# Altium PCB TCM.PcbDoc (part 9 of 10)
Units mm, origin at the board's own origin, x right, y up, seen from the top; angles counter-clockwise.
Board outline 280.25 x 366.95 mm, 6 copper layers (Top, L2, L3, L4, L5, Bot), stack 1.536 mm thick; 503 components, 762 nets, 3201 pads, 1645 vias.
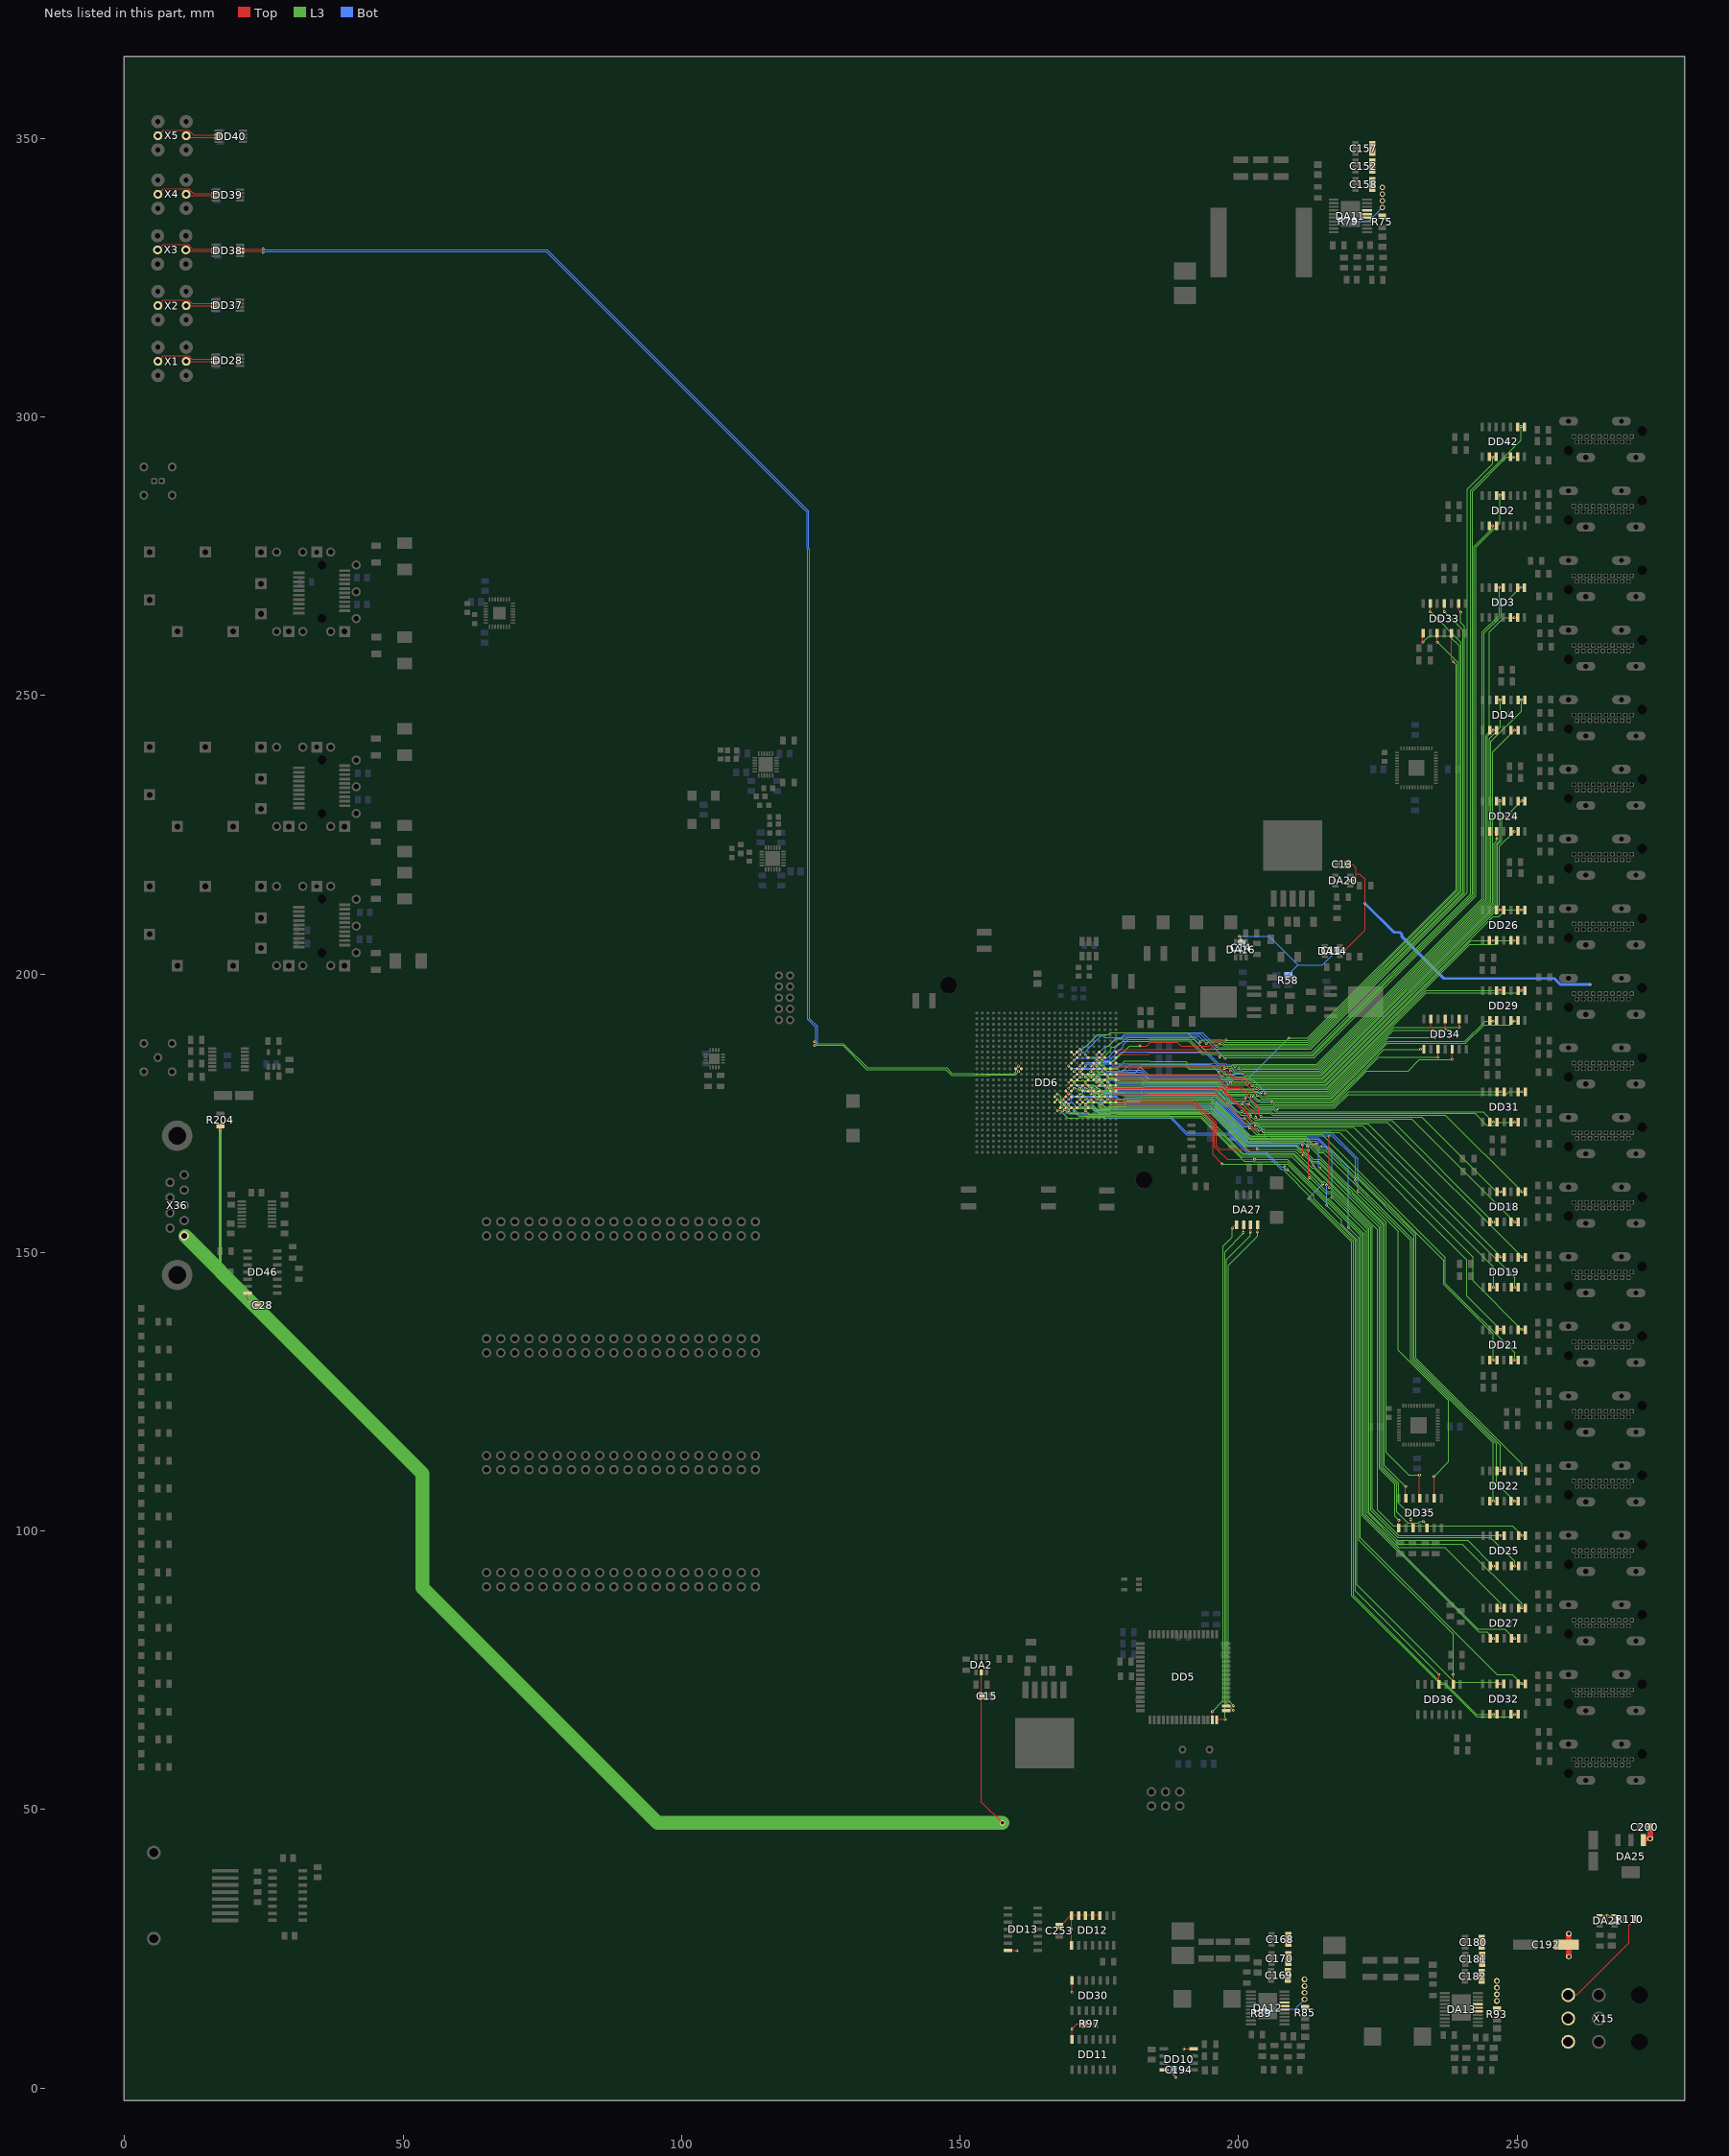
[diagram p13: the nets of this part, all layers, seen from the top]

## Via types
v1: diameter 0.48, hole 0.25, Top to Bot, tented both sides, 1515 vias
v2: diameter 1, hole 0.6, Top to Bot, tented both sides, 117 vias
v3: diameter 0.8, hole 0.4, Top to Bot, tented both sides, 8 vias
v4: diameter 5, hole 2.7, Top to Bot, tented both sides, 4 vias
v5: diameter 0.48/0/0/0/0/0.48 (per signal layer), hole 0.25, Top to Bot, tented both sides, 1 vias

## Nets (pads, with @x,y where several pads share a name; then routed paths per layer and width w, separated by ;. In a path a pad name is that pad's centre, name@x,y a point inside that pad or via, vN(x,y) a via of type N, cw(c..) or ccw(c..) an arc to the next point about the centre after c; other vN are vias at no path point) (continued)
TCM_SPI_CLKA_4: DD4.4 DD4.5 DD6.A10 | length 118.8
  Top w0.1: DD6.A10@178,184 180.5,184
  Top w0.15: 180.5,184 197.228,184 198.577,182.651 v1(198.577,182.605) ; DD4.5@246.362,249.262 v1(246.997,249.262) DD4.4@247.632,249.262
  L3 w0.15: v1(198.577,182.605) 198.81,182.605 199.18,182.235 200.293,182.235 200.664,182.606 214.56,182.606 245.01,213.055 245.01,242.312 246.997,244.299 v1(246.997,249.262)
TCM_SPI_CLKA_5: DD6.E11 DD24.1 DD24.2 | length 109.3
  Top w0.1: v1(173.5,182.5) DD6.E11@174,183
  Top w0.15: DD24.2@250.164,231.102 v1(250.83,231.102) DD24.1@251.434,231.102
  L3 w0.1: v1(173.5,182.5) 174.549,182.5 175.145,181.905 179.746,181.905 179.792,181.858 180.5,181.858
  L3 w0.15: 180.5,181.858 196.541,181.858 197.416,180.984 198.769,180.984 199.059,180.694 201.398,180.694 201.809,181.106 215.182,181.106 246.51,212.434 246.51,223.2 247.293,223.983 247.293,227.564 v1(250.83,231.102)
TCM_SPI_CLKA_6: DD6.H12 DD24.12 DD24.13 | length 106.9
  Top w0.1: v1(170.5,181.5) DD6.H12@171,182
  Top w0.15: DD24.12@248.894,225.602 v1(249.493,225.602) DD24.13@250.164,225.602
  L3 w0.15: v1(198.577,180.519) 198.702,180.394 201.522,180.394 201.934,180.806 215.306,180.806 246.875,212.374 246.875,222.984 v1(249.493,225.602)
  Bot w0.1: v1(170.5,181.5) 171.095,182.095 177.971,182.095 177.987,182.08 180.5,182.08
  Bot w0.15: 180.5,182.08 182.298,182.08 183.678,180.7 198.395,180.7 v1(198.577,180.519)
TCM_SPI_CLKA_7: DD6.C12 DD26.9 DD26.10 | length 83.1
  Top w0.1: DD6.C12@176,182 v1(176.5,181.5)
  Top w0.15: DD26.9@245.076,206.028 v1(245.708,206.028) DD26.10@246.346,206.028
  L3 w0.1: v1(176.5,181.5) 180.5,181.5
  L3 w0.15: 180.5,181.5 182.501,181.5 182.601,181.4 182.851,181.15 196.365,181.15 198.075,179.44 202.635,179.44 203.1,179.905 215.678,179.905 241.801,206.028 v1(245.708,206.028)
TCM_SPI_CLKA_8: DD6.H13 DD29.4 DD29.5 | length 86.7
  Top w0.1: DD6.H13@171,181 v1(171.5,181.5)
  Top w0.15: DD29.5@246.355,197.128 246.407,197.076 v1(246.981,197.076) DD29.4@247.627,197.076
  L3 w0.1: v1(171.5,181.5) 171.941,181.5 172.536,182.095 174.464,182.095 174.895,181.664 174.895,181.546 175.336,181.105 176.663,181.105 176.853,181.295 177.85,181.295 178.051,181.094 ; 178.051,181.1 180.5,181.1
  L3 w0.15: 180.5,181.1 182.477,181.1 182.758,180.819 196.272,180.819 198.018,179.073 202.798,179.073 202.896,178.975 203.505,178.975 203.818,179.288 215.91,179.288 233.698,197.076 v1(246.981,197.076)
TCM_SPI_CLKA_9: DD6.C13 DD31.1 DD31.2 | length 79.7
  Top w0.1: DD6.C13@176,181 v1(176.5,180.5)
  Top w0.15: DD31.2@250.205,178.9 v1(250.797,178.9) DD31.1@251.475,178.9
  L3 w0.15: v1(206.918,175.747) 207.129,175.957 217.246,175.957 219.683,178.395 248.061,178.395 248.565,178.9 v1(250.797,178.9)
  Bot w0.1: v1(176.5,180.5) 176.767,180.5 177.162,180.105 178.227,180.105 178.373,180.25 180.5,180.25
  Bot w0.15: 180.5,180.25 182.43,180.25 183.181,179.5 196.742,179.5 198.069,178.173 201.418,178.173 203.845,175.747 v1(206.918,175.747)
TCM_SPI_CLKC_0: DD6.G14 DD31.12 DD31.13 | length 82.4
  Top w0.1: DD6.G14@172,180 v1(172.5,179.5)
  Top w0.15: DD31.12@248.935,173.4 v1(249.57,173.4) DD31.13@250.205,173.4
  L3 w0.1: v1(172.5,179.5) 172.942,179.5 173.336,179.895 173.663,179.895 173.895,179.664 173.895,179.547 174.536,178.905 180.5,178.905
  L3 w0.15: 180.5,178.905 195.64,178.905 197.613,176.932 199.692,176.932 201.334,175.291 205.922,175.291 206.231,174.982 242.447,174.982 244.54,172.888 246.314,172.888 246.825,173.4 v1(249.57,173.4)
TCM_SPI_CLKC_1: DD6.B14 DD18.9 DD18.10 | length 80.5
  Top w0.1: DD6.B14@177,180 177.5,179.5 180.5,179.5
  Top w0.15: 180.5,179.5 183,179.5 183,179.503 197.164,179.503 197.513,179.154 197.515,179.154 200.597,176.072 200.857,176.072 201.305,175.624 201.305,175.364 v1(202.143,174.526) ; DD18.9@245.138,155.438 v1(245.768,155.438) 246.408,155.438 DD18.10@246.576,155.438
  L3 w0.15: v1(202.143,174.526) 202.899,173.77 203.493,173.77 203.591,173.673 227.533,173.673 v1(245.768,155.438)
TCM_SPI_CLKC_2: DD6.G15 DD19.4 DD19.5 | length 90.1
  Top w0.1: v1(171.5,179.5) DD6.G15@172,179
  Top w0.15: DD19.5@246.42,149.233 v1(247.071,149.233) DD19.4@247.69,149.233
  L3 w0.15: v1(201.055,174.106) 201.991,173.17 203.245,173.17 203.342,173.073 223.232,173.073 v1(247.071,149.233)
  Bot w0.1: v1(171.5,179.5) 172.106,178.895 173.337,178.895 ; 173.337,178.895 175.663,178.895 175.858,178.7 179.389,178.7 179.542,178.546 180.5,178.546
  Bot w0.15: 180.5,178.546 182.437,178.546 182.737,178.246 196.299,178.246 200.439,174.106 v1(201.055,174.106)
TCM_SPI_CLKC_3: DD6.B15 DD21.1 DD21.2 | length 95.5
  Top w0.1: DD6.B15@177,179 177.5,178.5 180.5,178.5
  Top w0.15: 180.5,178.5 183.533,178.5 183.547,178.486 196.017,178.486 201.64,172.863 202.15,172.863 203.06,171.953 v1(203.736,171.953) ; DD21.2@250.201,136.196 v1(250.836,136.196) DD21.1@251.471,136.196
  L3 w0.15: v1(203.736,171.953) 204.01,171.953 204.229,172.173 204.614,172.173 204.834,171.953 219.314,171.953 242.123,149.144 242.123,144.909 v1(250.836,136.196)
TCM_SPI_CLKC_4: DD6.J16 DD21.12 DD21.13 | length 105.2
  Top w0.1: v1(169.5,177.5) DD6.J16@170,178
  Top w0.15: DD21.12@248.931,130.696 v1(249.566,130.696) DD21.13@250.201,130.696
  L3 w0.15: v1(201.958,172.398) 202.05,172.398 203.206,171.243 214.979,171.243 237.151,149.071 237.151,144.408 249.566,131.992 v1(249.566,130.696)
  Bot w0.1: v1(169.5,177.5) 169.941,177.5 170.337,177.895 177.813,177.895 178.303,177.405 180.5,177.405
  Bot w0.15: 180.5,177.405 182.306,177.405 182.491,177.219 196.053,177.219 200.689,172.583 201.773,172.583 v1(201.958,172.398)
TCM_SPI_CLKC_5: DD6.D16 DD22.9 DD22.10 | length 121.3
  Top w0.1: DD6.D16@175,178 v1(175.5,177.5)
  Top w0.15: DD22.9@245.135,105.351 v1(245.766,105.351) DD22.10@246.405,105.351
  L3 w0.1: v1(175.5,177.5) 175.695,177.305 176.136,177.305 176.336,177.105 179.407,177.105 179.824,177.523 180.5,177.523
  L3 w0.15: 180.5,177.523 195.096,177.523 202.063,170.556 211.919,170.556 213.159,169.316 213.159,169.163 214.38,167.942 215.23,167.942 230.948,152.223 230.948,130.619 245.766,115.801 v1(245.766,105.351)
TCM_SPI_CLKC_6: DD6.L17 DD25.4 DD25.5 | length 142.4
  Top w0.1: DD6.L17@168,177 v1(168.5,176.5)
  Top w0.15: DD25.5@246.436,99.213 v1(247.071,99.213) DD25.4@247.706,99.213
  L3 w0.1: v1(168.5,176.5) 168.659,176.5 169.263,175.895 173.663,175.895 174.253,175.305 176.995,175.305 177.161,175.471 180.5,175.471
  L3 w0.15: 180.5,175.471 194.602,175.471 201.973,168.1 210.271,168.1 213.205,165.166 213.483,165.166 224.034,154.615 224.034,103.976 228.797,99.213 v1(247.071,99.213)
TCM_SPI_CLKC_7: DD6.F17 DD27.1 DD27.2 | length 151.1
  Top w0.1: v1(172.5,176.5) DD6.F17@173,177
  Top w0.15: v1(212.572,168.331) 212.572,163.588 v1(212.724,163.437) ; DD27.2@250.246,86.2 v1(250.862,86.2) DD27.1@251.516,86.2
  L3 w0.1: v1(172.5,176.5) 173.736,176.5 174.531,175.705 176.829,175.705 177.216,176.092 180.5,176.092
  L3 w0.15: 180.5,176.092 194.83,176.092 201.566,169.356 210.437,169.356 211.278,168.515 212.02,168.515 212.204,168.331 v1(212.572,168.331) ; v1(212.724,163.437) 212.859,163.437 215.642,160.654 216.649,160.654 223.134,154.169 223.134,103.252 228.69,97.695 240.167,97.695 250.862,87 v1(250.862,86.2)
TCM_SPI_CLKC_8: DD6.A17 DD27.12 DD27.13 | length 144.7
  Top w0.1: DD6.A17@178,177 180.5,177
  Top w0.15: 180.5,177 191.912,177 195.71,173.201 195.71,169.013 196.398,168.325 197.988,166.735 v1(202.88,166.735) ; DD27.12@248.976,80.7 v1(249.58,80.7) DD27.13@250.246,80.7
  L3 w0.15: v1(202.88,166.735) 208.768,166.735 215.828,159.675 216.174,159.675 222.503,153.346 222.503,102.901 228.659,96.745 228.705,96.745 243,82.45 247.83,82.45 v1(249.58,80.7)
TCM_SPI_CLKC_9: DD6.H18 DD32.9 DD32.10 | length 160
  Top w0.1: v1(170.5,175.5) DD6.H18@171,176
  Top w0.15: DD32.9@245.114,67.092 v1(245.749,67.092) DD32.10@246.384,67.092
  L3 w0.15: v1(208.313,165.386) 208.313,164.592 213.037,159.867 213.037,159.69 220.703,152.025 220.703,88.433 236.334,72.802 237.023,72.802 242.732,67.092 v1(245.749,67.092)
  Bot w0.1: v1(170.5,175.5) 170.665,175.5 171.197,174.968 172.361,174.968 172.733,174.596 180.5,174.596
  Bot w0.15: 180.5,174.596 187.692,174.596 190.813,171.475 195.775,171.475 195.8,171.5 198.335,171.5 201.819,168.016 204.988,168.016 207.618,165.386 v1(208.313,165.386)
TCM_SPI_MISOA_0: DD6.J8 DD33.2 | length 137.6
  Top w0.1: DD6.J8@170,186 v1(170.5,185.5)
  Top w0.15: DD33.2@239.487,266.605 239.487,265.379 v1(239.902,264.964)
  L3 w0.15: v1(196.052,187.02) 196.257,186.815 212.83,186.815 240.559,214.544 240.559,262.461 239.893,263.127 239.893,264.955 v1(239.902,264.964)
  Bot w0.1: v1(170.5,185.5) 171.105,186.105 171.664,186.105 171.895,186.336 171.895,186.454 172.546,187.105 172.664,187.105 174.664,189.105 176.664,189.105 177.059,189.5 180.5,189.5
  Bot w0.15: 180.5,189.5 193.572,189.5 v1(196.052,187.02)
TCM_SPI_MISOA_1: DD6.A8 DD33.4 | length 127.7
  Top w0.1: DD6.A8@178,186 178.475,186.475 180.5,186.475
  Top w0.15: 180.5,186.475 194.85,186.475 195.859,187.485 196.547,187.485 v1(196.617,187.415) ; DD33.4@236.947,266.605 236.947,265.08 v1(236.952,265.075)
  L3 w0.15: v1(196.617,187.415) 196.996,187.415 197.296,187.115 212.705,187.115 240.259,214.668 240.259,261.768 v1(236.952,265.075)
TCM_SPI_MISOA_2: DD6.D9 DD33.6 | length 134
  Top w0.1: v1(174.5,185.5) DD6.D9@175,185
  Top w0.15: v1(234.407,265.075) DD33.6@234.407,266.605
  L3 w0.15: v1(194.228,187.5) 194.608,187.88 196.955,187.88 197.42,187.415 212.581,187.415 239.959,214.793 239.959,259.523 v1(234.407,265.075)
  Bot w0.1: v1(174.5,185.5) 176.105,187.105 176.663,187.105 177.963,188.405 179.046,188.405 179.542,188.9 180.5,188.9
  Bot w0.15: 180.5,188.9 192.828,188.9 v1(194.228,187.5)
TCM_SPI_MISOA_3: DD6.J10 DD33.8 | length 137
  Top w0.1: DD6.J10@170,184 v1(170.5,184.5)
  Top w0.15: v1(233.106,259.582) 233.106,261.074 DD33.8@233.137,261.105
  L3 w0.15: v1(193.157,187.806) 193.531,188.18 197.079,188.18 197.544,187.715 212.457,187.715 239.659,214.917 239.659,258.862 237.785,260.736 234.259,260.736 v1(233.106,259.582)
  Bot w0.1: v1(170.5,184.5) 170.9,184.9 176.459,184.9 177.895,186.336 177.895,186.704 178.796,187.605 178.914,187.605 179.909,188.6 180.5,188.6
  Bot w0.15: 180.5,188.6 192.364,188.6 v1(193.157,187.806)
TCM_SPI_MISOA_4: DD6.D10 DD33.10 | length 126.8
  Top w0.1: v1(174.5,184.5) DD6.D10@175,184
  Top w0.15: v1(182.292,187.104) 183.52,187.104 184.141,187.725 188.959,187.725 189.649,187.035 194.731,187.035 195.876,188.18 v1(197.737,188.18) ; v1(235.677,259.582) DD33.10@235.677,261.105
  L3 w0.1: v1(174.5,184.5) 174.941,184.5 175.336,184.105 175.663,184.105 175.861,184.302 177.638,184.302 180.44,187.104 180.5,187.104
  L3 w0.15: 180.5,187.104 v1(182.292,187.104) ; v1(197.737,188.18) 197.848,188.068 212.386,188.068 239.359,215.041 239.359,255.929 235.706,259.582 v1(235.677,259.582)
TCM_SPI_MISOA_5: DD6.H11 DD33.12 | length 130.5
  Top w0.1: v1(170.5,182.5) DD6.H11@171,183
  Top w0.15: DD33.12@238.217,261.105 238.217,256.413 v1(238.594,256.036)
  L3 w0.15: v1@209.045,188.52 212.413,188.52 239.059,215.165 239.059,255.571 v1(238.594,256.036)
  Bot w0.1: v1(170.5,182.5) 170.895,182.895 178.346,182.895 178.636,182.605 178.964,182.605 179.109,182.75 180.5,182.75
  Bot w0.15: 180.5,182.75 182.476,182.75 183.926,181.3 201.812,181.3 v1(209.045,188.533)
TCM_SPI_MISOA_6: DD6.C11 DD34.2 | length 73.2
  Top w0.1: v1(175.5,182.5) DD6.C11@176,183
  Top w0.15: v1(239.629,190.462) DD34.2@239.629,191.998
  L3 w0.15: v1(204.783,178.48) 204.991,178.688 216.159,178.688 227.897,190.427 239.594,190.427 v1(239.629,190.462)
  Bot w0.1: v1(175.5,182.5) 177.142,182.5 177.237,182.405 180.5,182.405
  Bot w0.15: 180.5,182.405 182.397,182.405 183.802,181 202.565,181 204.783,178.781 v1(204.783,178.48)
TCM_SPI_MISOA_7: DD6.F12 DD34.4 | length 74.5
  Top w0.1: v1(172.5,181.5) DD6.F12@173,182
  Top w0.15: DD34.4@237.089,191.998 237.089,190.075 v1(237.239,189.925)
  L3 w0.1: v1(172.5,181.5) 172.942,181.5 173.337,181.895 173.664,181.895 173.895,181.663 173.895,181.546 174.347,181.095 175.063,181.095 175.253,180.905 176.746,180.905 176.936,181.095 177.746,181.095 177.947,180.894 178.134,180.894 178.14,180.9 178.738,180.9 178.876,180.761 180.5,180.761
  L3 w0.15: 180.5,180.761 182.323,180.761 182.566,180.519 196.148,180.519 197.893,178.773 202.673,178.773 202.771,178.675 203.575,178.675 204.241,178.008 204.969,178.008 205.349,178.388 216.283,178.388 227.819,189.925 v1(237.239,189.925)
TCM_SPI_MISOA_8: DD6.A12 DD34.6 | length 67.2
  Top w0.1: DD6.A12@178,182 180.5,182
  Top w0.15: 180.5,182 196.166,182 196.283,181.883 198.216,181.883 199,181.1 200.441,181.1 v1(203.336,178.205) ; DD34.6@234.549,191.998 234.549,190.494 235.242,189.801 v1(235.242,188.594)
  L3 w0.15: v1(203.336,178.205) 203.62,178.205 204.117,177.708 205.093,177.708 205.473,178.088 216.407,178.088 226.913,188.594 v1(235.242,188.594)
TCM_SPI_MISOA_9: DD6.E13 DD34.8 | length 65.4
  Top w0.1: DD6.E13@174,181 v1(174.5,180.5)
  Top w0.15: v1(232.672,186.5) 232.673,186.498 DD34.8@233.279,186.498
  L3 w0.15: v1(205.944,177.005) 205.944,177.188 216.78,177.188 226.091,186.5 v1(232.672,186.5)
  Bot w0.1: v1(174.5,180.5) 174.82,180.5 175.225,180.905 176.746,180.905 176.761,180.92 177.638,180.92 177.895,180.663 177.895,180.604 180.5,180.604
  Bot w0.15: 180.5,180.604 182.5,180.604 183.305,179.8 196.866,179.8 198.193,178.473 202.549,178.473 202.822,178.201 202.822,178.062 203.878,177.005 v1(205.944,177.005)
TCM_SPI_MISOC_0: DD6.J14 DD34.10 | length 73.7
  Top w0.1: v1(169.5,179.5) DD6.J14@170,180
  Top w0.15: DD34.10@235.819,186.498 235.819,185.088 v1(235.824,185.083)
  L3 w0.1: v1(169.5,179.5) 170.094,180.095 173.746,180.095 173.936,179.905 177.746,179.905 177.751,179.91 180.5,179.91
  L3 w0.15: 180.5,179.91 195.908,179.91 197.645,178.173 201.506,178.173 203.139,176.54 206.137,176.54 206.253,176.657 206.454,176.857 216.873,176.857 225.099,185.083 v1(235.824,185.083)
TCM_SPI_MISOC_1: DD6.D14 DD34.12 | length 71.4
  Top w0.1: v1(174.5,179.5) DD6.D14@175,180
  Top w0.15: v1(238.359,184.674) DD34.12@238.359,186.498
  L3 w0.1: v1(174.5,179.5) 174.941,179.5 175.336,179.105 177.417,179.105 177.614,179.303 180.5,179.303
  L3 w0.15: 180.5,179.303 195.667,179.303 197.737,177.232 202.022,177.232 203.015,176.24 206.261,176.24 206.578,176.557 216.998,176.557 223.03,182.59 230.443,182.59 232.472,184.618 238.303,184.618 v1(238.359,184.674)
TCM_SPI_MISOC_2: DD6.K15 DD35.2 | length 126.6
  Top w0.1: DD6.K15@169,179 v1(169.5,178.5)
  Top w0.15: v1(235.1,109.8) 235.1,106.003 DD35.2@235.13,105.973
  L3 w0.15: v1(221.503,161.01) 228.67,153.843 228.67,132.465 237.738,123.397 237.738,112.438 v1(235.1,109.8)
  Bot w0.1: v1(169.5,178.5) 169.941,178.5 170.336,178.105 178.05,178.105 178.55,177.605 179.403,177.605 179.589,177.791 180.5,177.791
  Bot w0.15: 180.5,177.791 182.344,177.791 182.53,177.605 196.092,177.605 200.813,172.883 202.149,172.883 203.789,171.243 204.614,171.243 204.993,171.621 216.6,171.621 221.435,166.786 221.435,161.079 v1(221.503,161.01)
TCM_SPI_MISOC_3: DD6.E15 DD35.4 | length 116.8
  Top w0.1: v1(173.5,178.5) DD6.E15@174,179
  Top w0.15: v1(232.5,110.059) 232.5,106.083 232.6,105.983 DD35.4@232.59,105.973
  L3 w0.1: v1(173.5,178.5) 173.934,178.5 174.129,178.305 174.253,178.305 175.105,177.454 175.105,177.336 175.336,177.105 176.053,177.105 176.254,176.905 179.698,176.905 180.002,177.208 180.5,177.208
  L3 w0.15: 180.5,177.208 194.986,177.208 201.939,170.256 211.795,170.256 212.851,169.199 212.851,169.005 226.501,155.355 226.501,114.099 230.541,110.059 v1(232.5,110.059)
TCM_SPI_MISOC_4: DD6.M16 DD35.6 | length 120.5
  Top w0.1: DD6.M16@167,178 v1(167.5,178.5)
  Top w0.15: v1(230,108) 230,106.023 DD35.6@230.05,105.973
  L3 w0.1: v1(167.5,178.5) 168.105,177.895 168.105,177.336 168.546,176.895 168.664,176.895 168.895,176.664 168.895,176.546 169.346,176.095 173.746,176.095 174.336,175.505 176.912,175.505 177.195,175.788 180.5,175.788
  L3 w0.15: 180.5,175.788 194.71,175.788 201.442,169.056 210.313,169.056 211.153,168.215 211.896,168.215 213.415,166.696 214.621,166.696 226.201,155.116 226.201,111.799 v1(230,108)
TCM_SPI_MISOC_5: DD6.G16 DD35.8 | length 122.3
  Top w0.1: v1(171.5,177.5) DD6.G16@172,178
  Top w0.15: DD35.8@228.78,100.473 228.78,101.97 v1(228.783,101.973)
  L3 w0.15: v1(214.628,165.183) 225.301,154.51 225.301,111.201 228.107,108.394 228.107,102.649 v1(228.783,101.973)
  Bot w0.1: v1(171.5,177.5) 172.105,176.895 173.547,176.895 174.105,176.337 174.105,176.319 174.755,175.67 180.5,175.67
  Bot w0.15: 180.5,175.67 195.481,175.67 201.408,169.743 205.802,169.743 206.086,170.026 214.035,170.026 214.389,169.672 214.389,169.211 214.378,169.199 214.378,165.433 v1(214.628,165.183)
TCM_SPI_MISOC_6: DD6.B16 DD35.10 | length 117.6
  Top w0.1: DD6.B16@177,178 177.5,177.499 180.5,177.499
  Top w0.15: 180.5,177.499 191.836,177.499 196.01,173.326 196.01,169.137 196.522,168.625 196.582,168.565 v1(203.351,168.565) ; v1(230.9,102.1) 230.9,101.79 231.32,101.37 DD35.10@231.32,100.473
  L3 w0.15: v1(203.351,168.565) 210.379,168.565 211.029,167.915 211.771,167.915 213.29,166.396 214.497,166.396 225.901,154.992 225.901,111.449 228.738,108.612 228.738,104.967 230.9,102.805 v1(230.9,102.1)
TCM_SPI_MISOC_7: DD6.H17 DD35.12 | length 125.7
  Top w0.1: DD6.H17@171,177 v1(171.5,176.5)
  Top w0.15: v1(211.498,169.261) 211.498,167.531 v1(211.579,167.45) ; v1(233.2,101.7) 233.86,101.04 DD35.12@233.86,100.473
  L3 w0.1: v1(171.5,176.5) 171.896,176.895 174.647,176.895 174.905,176.637 174.905,176.254 175.254,175.905 176.746,175.905 177.177,176.336 179.695,176.336 179.859,176.5 180.5,176.5
  L3 w0.15: 180.5,176.5 194.846,176.5 201.69,169.656 211.104,169.656 v1(211.498,169.261) ; v1(211.579,167.45) 211.812,167.45 213.166,166.096 214.372,166.096 225.601,154.868 225.601,111.325 228.407,108.518 228.407,103.393 230.388,101.412 232.292,101.412 232.58,101.7 v1(233.2,101.7)
TCM_SPI_MISOC_8: DD6.C17 DD36.2 | length 150.5
  Top w0.1: v1(175.5,176.5) DD6.C17@176,177
  Top w0.15: DD36.2@238.55,72.552 v1(238.55,74.25)
  L3 w0.15: v1(219.7,154.548) 221.603,152.645 221.603,98.383 238.55,81.436 v1(238.55,74.25)
  Bot w0.1: v1(175.5,176.5) 175.812,176.5 176.207,176.105 176.664,176.105 176.729,176.17 179.759,176.17 179.909,176.319 180.5,176.319
  Bot w0.15: 180.5,176.319 195.68,176.319 201.657,170.343 205.553,170.343 205.837,170.626 214.305,170.626 219.7,165.231 v1(219.7,154.548)
TCM_SPI_MISOC_9: DD6.K18 DD36.4 | length 149
  Top w0.1: v1(168.5,175.5) DD6.K18@169,176
  Top w0.15: DD36.4@236.01,72.552 v1(236.01,74.25)
  L3 w0.15: v1(208.784,164.907) 213.497,160.195 213.497,159.669 221.003,152.163 221.003,89.257 v1(236.01,74.25)
  Bot w0.1: v1(168.5,175.5) 168.942,175.5 169.337,175.105 170.737,175.105 171.073,174.768 172.278,174.768 172.751,174.295 175.829,174.295 175.993,174.131 180.5,174.131
  Bot w0.15: 180.5,174.131 187.733,174.131 190.702,171.162 198.249,171.162 201.741,167.67 204.91,167.67 207.672,164.907 v1(208.784,164.907)
TCM_SPI_MOSIA_0: DD6.H8 DD42.9 DD42.10 | length 165.7
  Top w0.1: DD6.H8@171,186 v1(171.5,186.5)
  Top w0.15: DD42.9@245.002,292.797 v1(245.637,292.797) DD42.10@246.272,292.797
  L3 w0.1: v1(171.5,186.5) 171.941,186.5 172.336,186.895 172.511,186.895 174.721,189.105 176.664,189.105 177.009,189.45 180.5,189.45
  L3 w0.15: 180.5,189.45 190.856,189.45 193.792,186.515 212.954,186.515 241.084,214.644 241.084,287.039 245.637,291.592 v1(245.637,292.797)
TCM_SPI_MOSIA_1: DD2.4 DD2.5 DD6.H9 | length 162.6
  Top w0.1: DD6.H9@171,185 171,185.081 171.081,185.081 v1(171.5,185.5)
  Top w0.15: DD2.5@246.289,285.969 v1(246.924,285.969) DD2.4@247.559,285.969
  L3 w0.15: v1(197.572,184.841) 197.737,185.006 213.566,185.006 242.584,214.023 242.584,276.611 246.924,280.951 v1(246.924,285.969)
  Bot w0.1: v1(171.5,185.5) 171.905,185.905 172.463,185.905 172.895,186.336 172.895,186.479 175.311,188.895 175.664,188.895 175.954,188.605 178.964,188.605 179.559,189.2 180.5,189.2
  Bot w0.15: 180.5,189.2 193.214,189.2 v1(197.572,184.841)
TCM_SPI_MOSIA_2: DD3.1 DD3.2 DD6.C9 | length 145.6